# Altium PCB STM32F7_CoreBoard.PcbDoc (part 7 of 8) (continued)
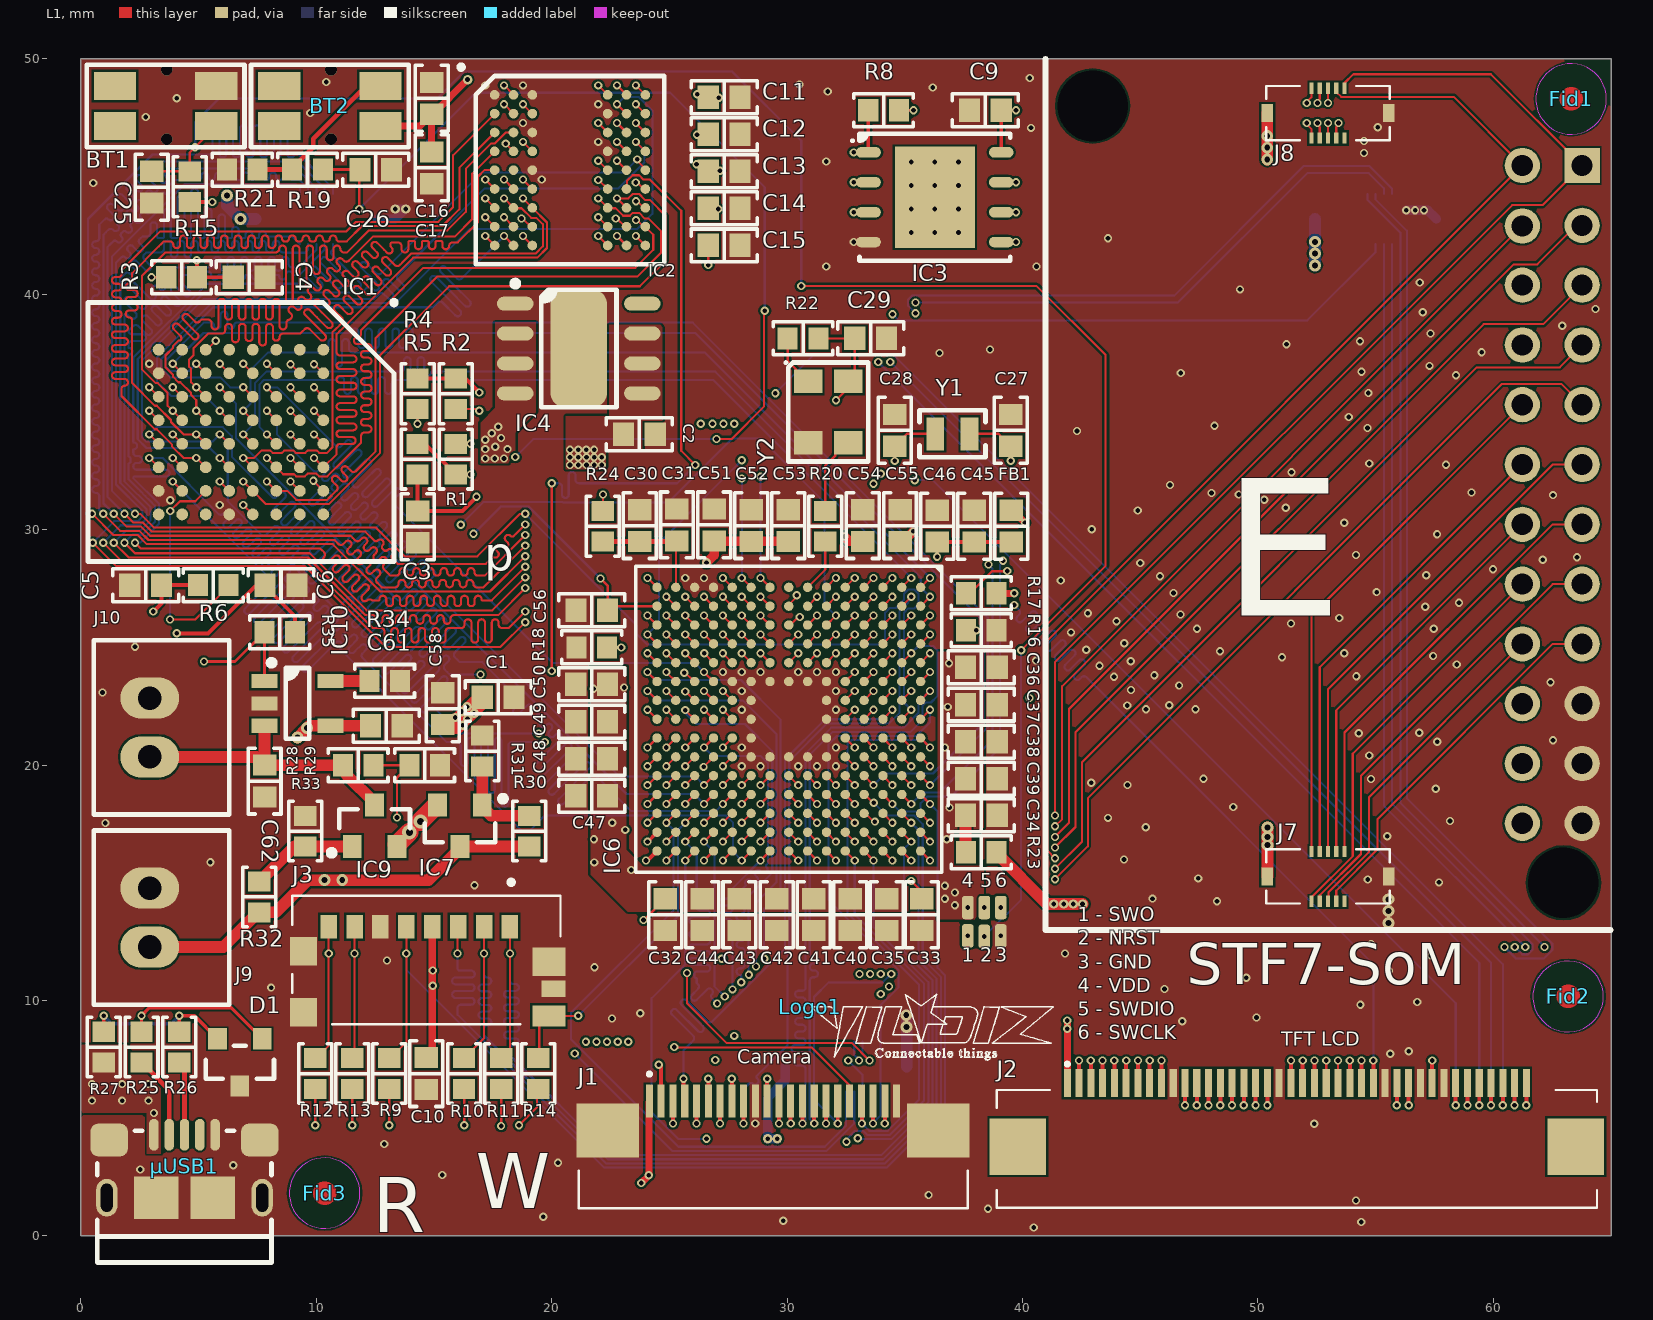
[diagram p0: L1 view]
## Nets (pads, with @x,y where several pads share a name; then routed paths per layer and width w, separated by ;. In a path a pad name is that pad's centre, name@x,y a point inside that pad or via, vN(x,y) a via of type N, cw(c..) or ccw(c..) an arc to the next point about the centre after c; other vN are vias at no path point) (continued)
  L6 w0.089: v1(1.85,29.45) 2.186,29.786 2.602,29.786 3.142,30.326 3.142,31.024 2.944,31.221 2.74,31.425 2.536,31.63 2.331,31.834 2.127,32.038 2.025,32.14 2.025,32.239 2.025,32.528 2.025,32.816 ccw(c2.025,32.891) 2.099,32.891 2.099,33.031 ccw(c2.025,33.031) 2.025,33.105 2.025,33.394 2.025,33.683 2.025,33.972 2.025,34.261 2.025,34.55 2.025,34.839 2.025,35.128 2.025,35.417 2.025,35.705 2.025,35.994 2.025,36.283 2.025,36.572 2.025,36.861 2.025,37.15 2.025,37.439 2.039,37.439 ccw(c2.039,37.583) 2.183,37.583 ccw(c2.039,37.583) 2.039,37.728 2.025,37.728 2.025,37.872 cw(c2.169,37.872) 2.169,38.017 2.616,38.017 ccw(c2.616,38.161) 2.761,38.161 ccw(c2.616,38.161) 2.616,38.306 2.169,38.306 cw(c2.169,38.45) 2.025,38.45 2.127,38.552 2.229,38.654 cw(c2.331,38.552) 2.434,38.654 2.772,38.316 ccw(c2.874,38.418) 2.976,38.316 ccw(c2.874,38.418) 2.976,38.521 2.638,38.859 cw(c2.74,38.961) 2.638,39.063 cw(c2.74,38.961) 2.842,39.063 3.18,38.725 ccw(c3.282,38.827) 3.384,38.725 ccw(c3.282,38.827) 3.384,38.929 3.046,39.267 cw(c3.149,39.369) 3.046,39.471 cw(c3.149,39.369) 3.251,39.471 3.589,39.133 ccw(c3.691,39.236) 3.793,39.133 ccw(c3.691,39.236) 3.793,39.338 3.455,39.676 cw(c3.557,39.778) 3.455,39.88 cw(c3.557,39.778) 3.659,39.88 3.997,39.542 ccw(c4.099,39.644) 4.202,39.542 ccw(c4.099,39.644) 4.202,39.746 3.864,40.084 cw(c3.966,40.186) 3.864,40.289 cw(c3.966,40.186) 4.068,40.289 4.406,39.95 ccw(c4.508,40.053) 4.61,39.95 ccw(c4.508,40.053) 4.61,40.155 4.272,40.493 cw(c4.374,40.595) 4.272,40.697 4.374,40.799 4.4,40.825 4.525,40.825 4.669,40.825 cw(c4.808,40.825) 4.808,40.964 4.819,40.964 cw(c4.819,40.825) 4.958,40.825 4.958,40.647 ccw(c5.103,40.647) 5.103,40.503 ccw(c5.103,40.647) 5.247,40.647 5.247,40.825 cw(c5.386,40.825) 5.386,40.964 5.397,40.964 cw(c5.397,40.825) 5.536,40.825 5.536,40.772 ccw(c5.681,40.772) 5.681,40.628 ccw(c5.681,40.772) 5.825,40.772 cw(c5.878,40.772) 5.878,40.825 6.061,40.825 cw(c6.061,40.772) 6.114,40.772 ccw(c6.258,40.772) 6.258,40.628 ccw(c6.258,40.772) 6.403,40.772 cw(c6.456,40.772) 6.456,40.825 6.639,40.825 cw(c6.639,40.772) 6.692,40.772 ccw(c6.836,40.772) 6.836,40.628 ccw(c6.836,40.772) 6.981,40.772 cw(c7.033,40.772) 7.033,40.825 7.217,40.825 cw(c7.217,40.772) 7.27,40.772 ccw(c7.414,40.772) 7.414,40.628 ccw(c7.414,40.772) 7.558,40.772 cw(c7.611,40.772) 7.611,40.825 7.795,40.825 cw(c7.795,40.772) 7.847,40.772 ccw(c7.992,40.772) 7.992,40.628 ccw(c7.992,40.772) 8.136,40.772 cw(c8.189,40.772) 8.189,40.825 8.372,40.825 cw(c8.372,40.772) 8.425,40.772 ccw(c8.57,40.772) 8.57,40.628 ccw(c8.57,40.772) 8.714,40.772 8.714,40.825 8.714,40.833 cw(c8.858,40.833) 8.858,40.977 cw(c8.858,40.833) 9.003,40.833 9.003,40.825 9.05,40.825 9.289,40.825 10.35,41.886 J6.3@10.35,42.14
RMII_TX_EN: IC6.B8 J6.10 | length 66.1
  L1 w0.089: v1(2.3,30.675) 2.517,30.675 3.092,30.1 12.511,30.1 13.745,28.867 16.842,28.867 18.65,30.675 v1(18.875,30.675) ; IC6.B8@34.87,21.952 v1(35.27,22.352)
  L6 w0.089: v1(2.3,30.675) 1.314,31.661 1.314,41.589 4.4,44.675 9.133,44.675 9.3,44.508 J6.10@9.3,44.26 ; v1(18.875,30.675) 23.6,25.95 23.6,25.587 24.062,25.125 33.925,25.125 34.162,25.362 34.162,26.481 34.356,26.675 34.612,26.675 34.962,27.025 34.962,27.281 35.142,27.461 35.398,27.461 35.579,27.281 35.579,26.829 35.411,26.661 35.142,26.661 34.962,26.481 34.962,22.661 v1(35.27,22.352)
RMII_TXD0: IC6.L13 J6.6 | length 67.3
  L1 w0.089: v1(1.4,30.675) 1.944,30.131 2.558,30.131 2.945,29.744 11.025,29.744 11.308,29.744 11.453,29.744 11.543,29.654 11.645,29.552 ccw(c11.747,29.654) 11.849,29.552 11.921,29.624 cw(c12.023,29.521) 12.125,29.624 cw(c12.023,29.521) 12.125,29.419 12.054,29.348 ccw(c12.156,29.246) 12.054,29.144 ccw(c12.156,29.246) 12.258,29.144 12.329,29.215 cw(c12.431,29.113) 12.534,29.215 cw(c12.431,29.113) 12.534,29.011 12.462,28.939 ccw(c12.564,28.837) 12.462,28.735 ccw(c12.564,28.837) 12.666,28.735 12.738,28.806 cw(c12.84,28.704) 12.942,28.806 cw(c12.84,28.704) 12.942,28.602 12.871,28.531 ccw(c12.973,28.429) 12.871,28.326 12.973,28.224 13.075,28.122 13.147,28.05 13.25,28.05 13.394,28.05 ccw(c13.394,28.194) 13.539,28.194 13.539,28.225 cw(c13.683,28.225) 13.683,28.369 cw(c13.683,28.225) 13.828,28.225 13.828,28.194 ccw(c13.972,28.194) 13.972,28.05 ccw(c13.972,28.194) 14.117,28.194 14.117,28.225 cw(c14.261,28.225) 14.261,28.369 cw(c14.261,28.225) 14.405,28.225 14.405,28.194 ccw(c14.55,28.194) 14.55,28.05 ccw(c14.55,28.194) 14.694,28.194 14.694,28.225 cw(c14.839,28.225) 14.839,28.369 cw(c14.839,28.225) 14.983,28.225 14.983,28.194 ccw(c15.128,28.194) 15.128,28.05 ccw(c15.128,28.194) 15.272,28.194 15.272,28.225 cw(c15.417,28.225) 15.417,28.369 cw(c15.417,28.225) 15.561,28.225 15.561,28.194 ccw(c15.706,28.194) 15.706,28.05 ccw(c15.706,28.194) 15.85,28.194 15.85,28.225 cw(c15.994,28.225) 15.994,28.369 cw(c15.994,28.225) 16.139,28.225 16.139,28.194 ccw(c16.283,28.194) 16.283,28.05 ccw(c16.283,28.194) 16.428,28.194 16.428,28.225 cw(c16.572,28.225) 16.572,28.369 cw(c16.572,28.225) 16.717,28.225 16.717,28.194 ccw(c16.861,28.194) 16.861,28.05 17.006,28.05 17.15,28.05 v1(18.875,29.775) ; v1(27.27,17.552) IC6.L13@27.67,17.952
  L4 w0.089: v1(18.875,29.775) 23.583,25.067 26.597,25.067 26.956,24.707 26.956,17.866 v1(27.27,17.552)
  L6 w0.089: v1(1.4,30.675) 0.958,31.117 0.958,42.533 1.06,42.635 1.162,42.737 cw(c1.265,42.635) 1.367,42.737 1.374,42.73 ccw(c1.476,42.832) 1.579,42.73 ccw(c1.476,42.832) 1.579,42.934 1.571,42.942 cw(c1.673,43.044) 1.571,43.146 cw(c1.673,43.044) 1.775,43.146 1.783,43.139 ccw(c1.885,43.241) 1.987,43.139 ccw(c1.885,43.241) 1.987,43.343 1.98,43.35 cw(c2.082,43.452) 1.98,43.555 cw(c2.082,43.452) 2.184,43.555 2.191,43.547 ccw(c2.294,43.649) 2.396,43.547 ccw(c2.294,43.649) 2.396,43.751 2.388,43.759 cw(c2.49,43.861) 2.388,43.963 cw(c2.49,43.861) 2.592,43.963 2.6,43.956 ccw(c2.702,44.058) 2.804,43.956 ccw(c2.702,44.058) 2.804,44.16 2.797,44.167 cw(c2.899,44.27) 2.797,44.372 cw(c2.899,44.27) 3.001,44.372 3.009,44.364 ccw(c3.111,44.466) 3.213,44.364 ccw(c3.111,44.466) 3.213,44.569 3.103,44.678 3.032,44.75 cw(c3.134,44.852) 3.032,44.954 cw(c3.134,44.852) 3.236,44.954 3.307,44.882 3.417,44.773 ccw(c3.519,44.875) 3.621,44.773 ccw(c3.519,44.875) 3.621,44.977 3.614,44.985 cw(c3.716,45.087) 3.614,45.189 3.716,45.291 3.775,45.35 3.919,45.35 4.15,45.35 4.303,45.35 cw(c4.425,45.35) 4.425,45.472 4.469,45.472 cw(c4.469,45.35) 4.592,45.35 4.592,45.175 ccw(c4.736,45.175) 4.736,45.031 ccw(c4.736,45.175) 4.881,45.175 4.881,45.206 cw(c5.025,45.206) 5.025,45.35 5.575,45.35 5.95,45.35 9.15,45.35 10,44.5 J6.6@10,44.26
RMII_TXD1: IC6.K14 J6.8 | length 66.9
  L1 w0.089: v1(1.85,30.675) 2.217,30.308 2.632,30.308 3.018,29.922 12.078,29.922 12.387,29.613 12.456,29.544 ccw(c12.534,29.622) 12.611,29.544 cw(c12.714,29.442) 12.816,29.544 cw(c12.714,29.442) 12.816,29.34 ccw(c12.894,29.262) 12.816,29.184 12.864,29.136 ccw(c12.942,29.214) 13.02,29.136 cw(c13.122,29.034) 13.224,29.136 cw(c13.122,29.034) 13.224,28.931 ccw(c13.302,28.854) 13.224,28.776 13.351,28.649 13.453,28.547 17.197,28.547 17.299,28.649 17.504,28.854 ccw(c17.603,28.953) 17.702,28.854 17.708,28.859 ccw(c17.609,28.959) 17.708,29.058 17.64,29.126 cw(c17.742,29.228) 17.64,29.33 cw(c17.742,29.228) 17.844,29.33 17.912,29.262 ccw(c18.011,29.361) 18.111,29.262 18.116,29.268 ccw(c18.017,29.367) 18.116,29.466 18.048,29.535 cw(c18.15,29.637) 18.048,29.739 cw(c18.15,29.637) 18.252,29.739 ccw(c18.321,29.807) 18.389,29.739 18.462,29.812 v1(18.875,30.225) ; v1(28.07,16.752) IC6.K14@28.47,17.152
  L4 w0.089: v1(18.875,30.225) 23.856,25.244 27.215,25.244 27.579,24.88 27.579,18.408 27.942,18.044 28.434,18.044 28.562,17.916 28.562,17.138 28.176,16.752 v1(28.07,16.752)
  L6 w0.089: v1(1.85,30.675) 1.136,31.389 1.136,42.015 1.238,42.117 1.368,42.247 cw(c1.442,42.173) 1.517,42.247 ccw(c1.619,42.35) 1.721,42.247 ccw(c1.619,42.35) 1.721,42.452 cw(c1.795,42.526) 1.721,42.6 1.777,42.656 cw(c1.851,42.582) 1.925,42.656 ccw(c2.027,42.758) 2.13,42.656 ccw(c2.027,42.758) 2.13,42.86 cw(c2.204,42.934) 2.13,43.009 2.185,43.065 cw(c2.26,42.99) 2.334,43.065 ccw(c2.436,43.167) 2.538,43.065 ccw(c2.436,43.167) 2.538,43.269 cw(c2.612,43.343) 2.538,43.417 2.594,43.473 cw(c2.668,43.399) 2.742,43.473 ccw(c2.845,43.575) 2.947,43.473 ccw(c2.845,43.575) 2.947,43.677 cw(c3.021,43.752) 2.947,43.826 3.002,43.882 cw(c3.077,43.807) 3.151,43.882 ccw(c3.253,43.984) 3.355,43.882 ccw(c3.253,43.984) 3.355,44.086 cw(c3.43,44.16) 3.355,44.234 3.411,44.29 cw(c3.485,44.216) 3.56,44.29 ccw(c3.662,44.392) 3.764,44.29 ccw(c3.662,44.392) 3.764,44.494 cw(c3.838,44.569) 3.764,44.643 3.894,44.773 3.974,44.853 4.118,44.853 4.4,44.853 4.975,44.853 ccw(c4.975,44.997) 5.119,44.997 5.119,45.028 cw(c5.264,45.028) 5.264,45.172 cw(c5.264,45.028) 5.408,45.028 5.408,44.997 ccw(c5.553,44.997) 5.553,44.853 ccw(c5.553,44.997) 5.697,44.997 5.697,45.028 cw(c5.842,45.028) 5.842,45.172 cw(c5.842,45.028) 5.986,45.028 5.986,44.997 ccw(c6.131,44.997) 6.131,44.853 ccw(c6.131,44.997) 6.275,44.997 6.275,45.028 cw(c6.419,45.028) 6.419,45.172 cw(c6.419,45.028) 6.564,45.028 6.564,44.997 ccw(c6.708,44.997) 6.708,44.853 ccw(c6.708,44.997) 6.853,44.997 6.853,45.028 cw(c6.997,45.028) 6.997,45.172 cw(c6.997,45.028) 7.142,45.028 7.142,44.997 ccw(c7.286,44.997) 7.286,44.853 ccw(c7.286,44.997) 7.431,44.997 7.431,45.028 cw(c7.575,45.028) 7.575,45.172 cw(c7.575,45.028) 7.72,45.028 7.72,44.997 ccw(c7.864,44.997) 7.864,44.853 ccw(c7.864,44.997) 8.008,44.997 8.008,45.028 cw(c8.153,45.028) 8.153,45.172 cw(c8.153,45.028) 8.297,45.028 8.297,44.997 ccw(c8.442,44.997) 8.442,44.853 ccw(c8.442,44.997) 8.586,44.997 8.586,45.028 cw(c8.731,45.028) 8.731,45.172 cw(c8.731,45.028) 8.875,45.028 8.875,44.997 ccw(c9.02,44.997) 9.02,44.853 9.164,44.853 9.297,44.853 9.65,44.5 J6.8@9.65,44.26
RS485_DE: IC6.R4 J5.5 | length 40.8
  L1 w0.089: v1(24.07,25.553) IC6.R4@24.47,25.153
  L4 w0.089: v1(28.075,32.95) 34.275,39.15 v1(34.475,39.15)
  L6 w0.089: v1(24.07,25.553) 24.562,26.044 24.562,29.437 v1(28.075,32.95) ; v1(34.475,39.15) 34.733,38.892 52.092,38.892 55,41.8 J5.5@55,42.14
RS485_RX: IC6.R13 J5.3 | length 99.7
  L1 w0.089: v1(24.07,17.552) IC6.R13@24.47,17.952
  L3 w0.089: v1(24.07,17.552) 24.018,17.552 20.311,13.845 20.311,7.166 25.261,2.216 61.071,2.216 63.486,4.632 63.486,6.767 61.341,8.912 61.341,12.266 v1(61.35,12.275)
  L6 w0.089: J5.3@55.35,42.14 55.35,18.275 v1(61.35,12.275)
RS485_TX: IC6.P12 J5.1 | length 101.5
  L1 w0.089: v1(24.87,18.352) IC6.P12@25.27,18.752
  L3 w0.089: v1(24.87,18.352) 24.525,18.007 24.525,17.391 24.284,17.15 23.867,17.15 20.489,13.772 20.489,7.24 25.335,2.394 60.997,2.394 63.309,4.706 63.309,6.693 60.911,9.09 v1(60.911,12.275)
  L6 w0.089: J5.1@55.7,42.14 55.7,18.361 61.658,12.403 61.658,12.147 61.478,11.967 61.219,11.967 v1(60.911,12.275)
SD_CLK: IC6.A12 J3.5 R9.1 | length 47.8
  L1 w0.089: R9.1@13.1,7.55 13.15,7.55 13.825,8.225 v1(13.825,12) J3.5@13.825,13.14 ; IC6.A12@35.67,18.752 v1(36.07,18.352)
  L6 w0.089: v1(13.825,12) 13.825,11.314 22.236,2.903 34.222,2.903 36.708,5.388 36.708,11.077 36.392,11.393 36.392,18.031 v1(36.07,18.352)
SD_CMD: IC6.D12 J3.3 | length 47.8
  L1 w0.089: v1(16,12) 16,13.115 J3.3@16.025,13.14 ; IC6.D12@33.27,18.752 33.298,18.752 33.649,18.401 v1(33.677,18.401)
  L6 w0.089: v1(16,12) 16,11.375 ccw(c16.107,11.375) 16.107,11.268 16.586,11.268 cw(c16.586,11.124) 16.731,11.124 cw(c16.586,11.124) 16.586,10.979 16,10.979 15.914,10.979 ccw(c15.914,10.835) 15.769,10.835 ccw(c15.914,10.835) 15.914,10.69 16,10.69 16.572,10.69 cw(c16.572,10.546) 16.717,10.546 cw(c16.572,10.546) 16.572,10.402 16,10.402 15.914,10.402 ccw(c15.914,10.257) 15.769,10.257 ccw(c15.914,10.257) 15.914,10.113 16,10.113 16.572,10.113 cw(c16.572,9.968) 16.717,9.968 cw(c16.572,9.968) 16.572,9.824 16.144,9.824 ccw(c16.144,9.679) 16,9.679 16,9.535 16,9.39 22.31,3.08 34.149,3.08 36.53,5.462 36.53,11.004 35.762,11.772 35.762,17.496 35.398,17.86 34.217,17.86 v1(33.677,18.401)
SD_D0: IC6.G14 J3.7 R13.1 | length 49
  L1 w0.089: R13.1@11.525,7.55 11.625,7.65 v1(11.625,12) J3.7@11.625,13.14 ; IC6.G14@30.87,17.152 v1(31.27,16.752)
  L4 w0.089: v1(11.625,12) 17.275,6.35 17.419,6.35 17.708,6.35 17.853,6.35 ccw(c17.853,6.494) 17.997,6.494 17.997,8.011 cw(c18.142,8.011) 18.142,8.156 cw(c18.142,8.011) 18.286,8.011 18.286,6.494 ccw(c18.431,6.494) 18.431,6.35 ccw(c18.431,6.494) 18.575,6.494 18.575,8.011 cw(c18.719,8.011) 18.719,8.156 cw(c18.719,8.011) 18.864,8.011 18.864,6.494 ccw(c19.008,6.494) 19.008,6.35 ccw(c19.008,6.494) 19.153,6.494 19.153,8.011 cw(c19.297,8.011) 19.297,8.156 cw(c19.297,8.011) 19.442,8.011 19.442,6.494 ccw(c19.586,6.494) 19.586,6.35 ccw(c19.586,6.494) 19.731,6.494 19.731,8.011 cw(c19.875,8.011) 19.875,8.156 cw(c19.875,8.011) 20.02,8.011 20.02,6.494 ccw(c20.164,6.494) 20.164,6.35 20.308,6.35 20.575,6.35 25.711,6.35 25.908,6.547 25.908,9.446 31.579,15.116 31.579,16.443 v1(31.27,16.752)
SD_D1: IC6.F14 J3.8 R12.1 | length 49
  L1 w0.089: R12.1@9.95,7.55 10,7.55 10.525,8.075 v1(10.525,12) J3.8@10.525,13.14 ; IC6.F14@31.67,17.152 v1(32.07,16.752)
  L4 w0.089: v1(10.525,12) 10.627,11.898 10.729,11.796 cw(c10.627,11.694) 10.729,11.591 10.415,11.277 ccw(c10.517,11.175) 10.415,11.073 ccw(c10.517,11.175) 10.619,11.073 11.036,11.489 11.272,11.725 cw(c11.374,11.623) 11.476,11.725 cw(c11.374,11.623) 11.476,11.521 11.24,11.285 10.824,10.869 ccw(c10.926,10.766) 10.824,10.664 ccw(c10.926,10.766) 11.028,10.664 11.444,11.081 11.766,11.403 cw(c11.869,11.301) 11.971,11.403 cw(c11.869,11.301) 11.971,11.199 11.649,10.876 11.232,10.46 ccw(c11.334,10.358) 11.232,10.256 ccw(c11.334,10.358) 11.436,10.256 11.853,10.672 12.175,10.994 cw(c12.277,10.892) 12.379,10.994 cw(c12.277,10.892) 12.379,10.79 12.057,10.468 11.641,10.051 ccw(c11.743,9.949) 11.641,9.847 ccw(c11.743,9.949) 11.845,9.847 12.261,10.264 12.584,10.586 cw(c12.686,10.484) 12.788,10.586 cw(c12.686,10.484) 12.788,10.381 12.466,10.059 12.049,9.643 ccw(c12.151,9.541) 12.049,9.439 ccw(c12.151,9.541) 12.254,9.439 12.67,9.855 12.992,10.177 cw(c13.094,10.075) 13.196,10.177 cw(c13.094,10.075) 13.196,9.973 12.976,9.753 ccw(c13.079,9.651) 12.976,9.549 13.079,9.446 16.353,6.172 25.785,6.172 26.1,6.487 26.1,9.386 31.762,15.048 31.762,16.443 v1(32.07,16.752)
SD_D2: IC6.B14 J3.1 R11.1 | length 47.6
  L1 w0.089: R11.1@17.85,7.55 18.225,7.925 v1(18.225,12) J3.1@18.225,13.14 ; IC6.B14@34.87,17.152 v1(35.27,16.752)
  L6 w0.089: v1(18.225,12) 18.225,10.875 18.225,10.846 ccw(c18.369,10.846) 18.369,10.702 18.461,10.702 cw(c18.461,10.557) 18.606,10.557 cw(c18.461,10.557) 18.461,10.413 18.225,10.413 18.114,10.413 ccw(c18.114,10.268) 17.969,10.268 ccw(c18.114,10.268) 18.114,10.124 18.225,10.124 18.461,10.124 cw(c18.461,9.979) 18.606,9.979 cw(c18.461,9.979) 18.461,9.835 18.225,9.835 18.114,9.835 ccw(c18.114,9.691) 17.969,9.691 ccw(c18.114,9.691) 18.114,9.546 18.225,9.546 18.461,9.546 cw(c18.461,9.402) 18.606,9.402 cw(c18.461,9.402) 18.461,9.257 18.225,9.257 18.114,9.257 ccw(c18.114,9.113) 17.969,9.113 ccw(c18.114,9.113) 18.114,8.968 18.225,8.968 18.461,8.968 cw(c18.461,8.824) 18.606,8.824 cw(c18.461,8.824) 18.461,8.679 18.225,8.679 18.114,8.679 ccw(c18.114,8.535) 17.969,8.535 ccw(c18.114,8.535) 18.114,8.391 18.225,8.391 18.461,8.391 cw(c18.461,8.246) 18.606,8.246 cw(c18.461,8.246) 18.461,8.102 18.369,8.102 ccw(c18.369,7.957) 18.225,7.957 18.225,7.813 18.225,7.668 22.457,3.436 34.001,3.436 36.175,5.609 36.175,10.856 34.962,12.069 34.962,16.443 v1(35.27,16.752)
SD_D3: IC6.B13 J3.2 R10.1 | length 47.6
  L1 w0.089: R10.1@16.275,7.55 17.125,8.4 v1(17.125,12) J3.2@17.125,13.14 ; IC6.B13@34.87,17.952 v1(35.27,17.552)
  L6 w0.089: v1(17.125,12) 17.125,11.15 17.125,11.117 ccw(c17.269,11.117) 17.269,10.972 17.286,10.972 cw(c17.286,10.828) 17.431,10.828 cw(c17.286,10.828) 17.286,10.684 17.125,10.684 17.039,10.684 ccw(c17.039,10.539) 16.894,10.539 ccw(c17.039,10.539) 17.039,10.395 17.125,10.395 17.286,10.395 cw(c17.286,10.25) 17.431,10.25 cw(c17.286,10.25) 17.286,10.106 17.125,10.106 17.039,10.106 ccw(c17.039,9.961) 16.894,9.961 ccw(c17.039,9.961) 17.039,9.817 17.125,9.817 17.286,9.817 cw(c17.286,9.672) 17.431,9.672 cw(c17.286,9.672) 17.286,9.528 17.125,9.528 17.039,9.528 ccw(c17.039,9.384) 16.894,9.384 ccw(c17.039,9.384) 17.039,9.239 17.125,9.239 17.286,9.239 cw(c17.286,9.095) 17.431,9.095 cw(c17.286,9.095) 17.286,8.95 17.269,8.95 ccw(c17.269,8.806) 17.125,8.806 17.125,8.661 17.125,8.517 22.384,3.258 34.075,3.258 36.352,5.536 36.352,10.93 35.579,11.704 35.579,17.244 v1(35.27,17.552)
SD_DETECT: IC6.N13 J3.G5 R14.1 | length 13.9
  L1 w0.089: R14.1@19.425,7.55 19.469,7.594 19.469,8.944 J3.G5@19.875,9.35 v1(21.125,9.35) ; v1(25.67,17.552) IC6.N13@26.07,17.952
  L6 w0.089: v1(21.125,9.35) 25.362,13.587 25.362,17.244 v1(25.67,17.552)
SWCLK: IC6.A14 pad.6@39.075,13.95 | length 4.7
  L1 w0.089: IC6.A14@35.67,17.152 v1(36.07,16.752)
  L2 w0.089: v1(36.07,16.752) 36.273,16.752 v1(39.075,13.95)
SWDIO: IC6.A15 pad.5@38.375,13.95 | length 3.7
  L1 w0.089: IC6.A15@35.67,16.352 v1(36.07,15.952)
  L2 w0.089: v1(36.07,15.952) 36.075,15.946 36.379,15.946 v1(38.375,13.95)
SWO: IC6.A10 pad.1@37.675,12.75 | length 8.7
  L1 w0.089: IC6.A10@35.67,20.352 v1(36.07,19.952)
  L2 w0.089: v1(36.07,19.952) 35.762,19.644 35.762,14.663 v1(37.675,12.75)
USB_HS_DM: D1.1 IC6.R14 R25.1 | length 31.9
  L1 w0.146: R25.1@2.575,8.675 v1(2.575,9.35) 2.912,9.687 6.388,9.687 D1.1@7.7,8.375 ; v1(24.07,16.752) IC6.R14@24.47,17.152
  L2 w0.096: v1(2.575,9.35) 2.639,9.35 3.264,9.975 3.264,10.437 9.29,16.463 23.782,16.463 v1(24.07,16.752)
USB_HS_DM_P: D1.2 IC6.R15 R26.1 R27.2 | length 32
  L1 w0.146: R27.2@0.975,8.675 v1(0.975,9.35) ; R26.1@4.175,8.675 v1(4.175,9.35) 4.825,9.35 D1.2@5.8,8.375 ; v1(24,15.95) 24.069,15.95 IC6.R15@24.47,16.352
  L2 w0.096: v1(4.175,9.35) 4.111,9.35 3.486,9.975 3.486,10.344 9.382,16.24 23.782,16.24 24.05,15.972 24.028,15.95 v1(24,15.95)
  L6 w0.146: v1(0.975,9.35) 1.312,9.013 3.838,9.013 v1(4.175,9.35)
USERBTN: C26.2 IC6.N3 R19.2 | length 55.6
  L1 w0.089: v1(11.825,43.625) 11.825,45.275 C26.2@11.85,45.3 ; v1(25.67,26.353) IC6.N3@26.07,25.953 ; v1(27,33.85) 27.636,33.85 29.014,35.228 29.014,39.262 v1(29.05,39.298)
  L1 w0.127: R19.2@10.275,45.3 C26.2@11.85,45.3
  L4 w0.089: v1(18.45,33.086) 24.783,26.753 25.27,26.753 v1(25.67,26.353)
  L6 w0.089: v1(11.825,43.625) 16.761,48.561 25.032,48.561 29.05,44.543 v1(29.05,39.298) ; v1(18.45,33.086) 19.214,33.85 v1(27,33.85)
VBatt: C62.2 IC9.3 IC10.3 J10.1 R28.2 | length 12.3
  L1 w0.5: J10.1@2.925,20.35 7.45,20.35 C62.2@7.8,20 ; IC10.3@7.8,21.675 C62.2@7.8,20 ; IC9.3@12.475,18.31 12.475,18.395 11.3,19.57 11.3,19.825 R28.2@11.125,20 C62.2@7.8,20
VBATT_SENS: C56.2 IC6.R2 R28.1 R29.2 | length 28.2
  L1 w0.1: R28.1@12.425,20 R29.2@13.95,20 13.425,19.475 v1(13.425,17.775) ; v1(22.075,27.925) 22.375,27.625 C56.2@22.375,26.575 22.553,26.753 IC6.R2@24.47,26.753
  L2 w0.1: v1(13.425,17.775) 13.425,26.575 v1(16.675,29.825)
  L6 w0.1: v1(16.675,29.825) 17.839,30.989 19.011,30.989 v1(22.075,27.925)
VDD: C34.2 C35.2 C36.2 C37.2 C38.2 C39.2 C40.2 C41.2 C42.2 C43.2 C44.2 C47.2 C48.2 C49.2 C50.2 C51.2 C52.2 C53.2 C54.2 C55.2 FB1.2 IC6.E7 IC6.E8 IC6.E9 IC6.E10 IC6.F4 IC6.F5 IC6.F11 IC6.G5 IC6.G11 IC6.H5 IC6.H11 IC6.J5 IC6.J11 IC6.K5 IC6.K11 IC6.L7 IC6.L8 IC6.L9 IC6.L10 pad.4@37.675,13.95 R17.1 R23.1 | length 19.7
  L1 w0.089: v1(27.27,19.952) IC6.L10@27.67,20.352 ; v1(27.27,20.752) IC6.L9@27.67,21.152 ; v1(27.27,22.352) IC6.L8@27.67,21.952 ; v1(27.27,23.152) IC6.L7@27.67,22.752 ; v1(28.07,19.152) IC6.K11@28.47,19.552 ; v1(28.07,24.753) IC6.K5@28.47,24.353 ; v1(28.87,19.152) IC6.J11@29.27,19.552 ; v1(28.87,24.753) IC6.J5@29.27,24.353 ; IC6.H11@30.07,19.552 v1(30.47,19.152) ; IC6.H5@30.07,24.353 v1(30.47,24.753) ; IC6.G11@30.87,19.552 v1(31.27,19.152) ; IC6.G5@30.87,24.353 v1(31.27,24.753) ; IC6.F11@31.67,19.552 v1(32.07,19.152) ; IC6.F5@31.67,24.353 v1(32.07,24.753) ; IC6.F4@31.67,25.153 v1(32.07,25.553) ; IC6.E10@32.47,20.352 v1(32.87,19.952) ; IC6.E9@32.47,21.152 v1(32.87,20.752) ; IC6.E8@32.47,21.952 v1(32.87,22.352) ; IC6.E7@32.47,22.752 v1(32.87,23.152)
  L1 w0.3: R17.1@38.9,27.3 v1(39.65,27.3) ; FB1.2@39.52,30.827 39.57,30.827 40.1,30.298 v1(40.1,30.3)
  L1 w0.4: v3(26.575,28.6) 26.895,28.92 C51.2@26.895,29.527 26.908,29.515 28.433,29.515 28.445,29.527 C52.2@28.47,29.502 C53.2@30.045,29.502 ; v1(32.44,29.71) 32.648,29.502 C54.2@33.22,29.502 ; C55.2@34.795,29.502 34.932,29.502 v1(35.36,29.93)
  L1 w0.5: R23.1@37.575,16.325 C34.2@37.575,17.875
  other v1: 37.675,13.95 37.125,14.05 36.7,14.325 37.125,14.588 36.7,14.875 23.375,15.55 21.81,15.87 21.79,16.85 36.775,16.85 23.125,17.25 22.575,17.552 36.9,18.2 36.7,20.75 36.825,22.475 21.775,23.25 23.075,23.3 36.875,24.325
VDDA: C45.2 C46.2 FB1.1 IC6.C1 IC6.R1 R24.2 | length 37.3
  L1 w0.089: v1(24.07,27.953) IC6.R1@24.47,27.553 ; IC6.C1@34.07,27.553 v1(34.47,27.953)
  L1 w0.1: R24.2@22.17,30.802 22.175,30.807 v1(22.175,31.5) ; v1(36.37,28.855) C46.2@36.37,29.477
  L1 w0.169: C46.2@36.37,29.477 C45.2@37.945,29.477 FB1.1@39.52,29.477
  L2 w0.089: v1(24.07,27.953) 22.175,29.848 v1(22.175,31.5) 22.245,31.5 24.27,33.525 39.809,33.525 40.075,33.259 40.075,32.125 36.805,28.855 v1(36.37,28.855) 35.372,28.855 v1(34.47,27.953)
VREF+: C30.2 C31.2 IC6.P1 R24.1 | length 5.1
  L1 w0.089: IC6.P1@25.27,27.553 25.27,29.527 C31.2@25.32,29.527
  L1 w0.2: R24.1@22.17,29.502 C30.2@23.745,29.502 C31.2@25.245,29.502
Vselected: C1.2 C58.2 IC2.2 IC2.3 IC2.4 IC7.2 IC9.2 | length 4
  L1 w0.8: IC9.2@13.425,16.625 v6(13.95,17.15) ; v6@14.412,17.613 15.024,18.224 15.149,18.224 15.15,18.225 IC7.2@15.15,18.31 ; C58.2@15.375,21.725 15.95,21.725 16.086,21.861 16.086,21.878 16.372,22.164 16.389,22.164 17.05,22.825 C1.2@17.05,22.875
  other v1: 17.175,33.025 17.575,33.025 17.975,33.025 17.175,33.425 18.125,33.425 17.604,33.525 17.175,33.825 17.85,33.9 17.45,34.1 17.725,34.375
  other v3: 16.225,21.7 16.425,21.975 15.9,22.025 16.7,22.2 16.175,22.275 16.4,22.475
  other v6: 14.425,17.6
WiFi_CTS: IC6.C15 J8.8 pad.5@63.77,35.31 | length 58.5
  L1 w0.089: IC6.C15@34.07,16.352 v1(34.47,15.952) ; v1(41.375,15.15) 42.775,16.55 42.775,18.6 60.368,36.193 62.887,36.193 pad.5@63.77,35.31 ; v1(52.525,47.275) 52.525,47.204 52.625,47.104 J8.8@52.625,46.64
  L4 w0.089: v1(34.47,15.952) 34.779,15.643 40.882,15.643 v1(41.375,15.15) ; v1(52.525,47.275) 52.525,45.306 62.521,35.31 pad.5@63.77,35.31
WiFi_IRQ: IC6.D9 J8.1 pad.1@63.77,45.47 | length 59.4
  L1 w0.089: IC6.D9@33.27,21.152 v1(33.67,20.752) ; v1(41.375,17.86) 41.375,24.366 60.798,43.788 62.088,43.788 pad.1@63.77,45.47 59.89,49.35 54.05,49.35 53.675,48.975 J8.1@53.675,48.76
  L4 w0.089: v1(33.67,20.752) 33.979,20.444 33.979,20.008 34.526,19.46 39.775,19.46 v1(41.375,17.86)
WiFi_MISO: IC6.C14 J8.3 pad.13 | length 55
  L1 w0.089: IC6.C14@34.07,17.152 v1(34.47,16.752) ; v1(41.375,16.05) 41.067,16.358 41.067,25.307 pad.13@61.23,45.47 58.313,48.387 53.53,48.387 53.325,48.591 J8.3@53.325,48.76
  L4 w0.089: v1(34.47,16.752) 34.784,16.438 40.987,16.438 v1(41.375,16.05)
WiFi_MOSI: IC6.C13 J8.5 pad.2@63.77,42.93 | length 57.5
  L1 w0.089: IC6.C13@34.07,17.952 v1(34.47,17.552) ; v1(41.375,16.95) 41.975,17.55 41.975,22.384 60.864,41.273 61.862,41.273 63.519,42.93 pad.2@63.77,42.93 ; v1(52.975,48.125) J8.5@52.975,48.76
  L3 w0.089: v1(52.975,48.125) 57.326,48.125 62.521,42.93 pad.2@63.77,42.93
  L4 w0.089: v1(34.47,17.552) 34.779,17.86 40.465,17.86 v1(41.375,16.95)
WiFi_PWE: IC6.A13 J8.9 pad.3@63.77,40.39 | length 56.6
  L1 w0.089: IC6.A13@35.67,17.952 v1(36.07,17.552) ; v1(41.375,16.5) 42.25,17.375 42.25,21.4 59.583,38.733 62.113,38.733 pad.3@63.77,40.39 ; v1(52.075,48.125) 52.075,48.179 52.266,48.37 52.266,48.751 J8.9@52.275,48.76
  L3 w0.089: v1(52.075,48.125) 52.617,47.583 55.302,47.583 60.864,42.022 62.138,42.022 pad.3@63.77,40.39
  L4 w0.089: v1(36.07,17.552) 40.323,17.552 v1(41.375,16.5)
WiFi_RTS: IC6.B15 J8.10 pad.4@63.77,37.85 | length 58
  L1 w0.089: IC6.B15@34.87,16.352 v1(35.27,15.952) ; v1(41.375,15.6) 42.525,16.75 42.525,20.125 59.3,36.9 62.82,36.9 pad.4@63.77,37.85 ; v1(52.075,47.275) 52.075,47.221 52.266,47.03 52.266,46.649 J8.10@52.275,46.64
  L4 w0.089: v1(35.27,15.952) 35.579,16.26 40.715,16.26 v1(41.375,15.6) ; v1(52.075,47.275) 52.383,47.583 55.286,47.583 63.77,39.099 pad.4@63.77,37.85
WiFi_RX: IC6.D15 J8.6 pad.16 | length 93.7
  L1 w0.089: IC6.D15@33.27,16.352 v1(33.67,15.952) ; J8.6@52.975,46.64 v1(52.975,47.275)
  L3 w0.089: v1(33.002,4.15) 33.155,3.997 60.337,3.997 61.708,5.368 61.708,5.678 58.919,8.467 58.919,29.42 61.386,31.887 61.596,31.887 62.113,32.404 62.113,36.967 pad.16@61.23,37.85
  L4 w0.089: v1(52.975,47.275) 52.975,46.105 pad.16@61.23,37.85
  L6 w0.089: v1(33.002,4.15) 33.041,4.111 34.425,4.111 35.997,5.683 35.997,10.783 33.67,13.109 v1(33.67,15.952)
WiFi_SCL: IC6.C11 J8.7 pad.14 | length 53.5
  L1 w0.089: IC6.C11@34.07,19.552 v1(34.47,19.152) ; v1(41.375,17.4) 41.683,17.708 41.683,23.358 pad.14@61.23,42.905 ; v1(52.525,48.125) 52.525,48.196 52.625,48.296 J8.7@52.625,48.76
  L3 w0.089: v1(52.525,48.125) 52.833,47.817 56.318,47.817 pad.14@61.23,42.905
  L4 w0.089: v1(34.47,19.152) 34.962,18.66 40.115,18.66 v1(41.375,17.4)
WiFi_TX: IC6.E15 J8.4 pad.15 | length 95.7
  L1 w0.089: IC6.E15@32.47,16.352 v1(32.87,15.952) ; J8.4@53.325,46.64 53.325,47.104 53.425,47.204 v1(53.425,47.275)
  L3 w0.089: v1(32.525,4) 32.708,3.817 37.153,3.817 37.156,3.819 60.411,3.819 61.886,5.295 61.886,5.751 59.097,8.54 59.097,29.346 61.46,31.709 61.67,31.709 62.291,32.33 62.291,39.329 pad.15@61.23,40.39 54.345,47.275 v1(53.425,47.275)
  L6 w0.089: v1(32.525,4) 32.525,4.11 32.874,4.459 33.24,4.459 33.41,4.289 34.351,4.289 35.819,5.756 35.819,10.709 32.87,13.658 v1(32.87,15.952)
pads on no net: BT1.3 BT1.4 BT2.3 BT2.4 IC1.A1 IC1.A8 IC1.B1 IC1.B8 IC1.C1 IC1.C8 IC1.D1 IC1.E1 IC1.F8 IC1.G1 IC1.G8 IC1.H1 IC1.H8 IC2.8 IC3.9 IC4.E2 IC6.H1 J2.MP1 J2.MP2 J5.7 J5.9 J5.10 J7.2 J8.2 J11.6 J11.7 J11.8 J11.9 J11.10 µUSB1.4
copper on no net:
  other v4: 35.275,42.625 36.275,42.625 37.275,42.625 35.275,43.625 36.275,43.625 37.275,43.625 35.275,44.625 36.275,44.625 37.275,44.625 35.275,45.625 36.275,45.625 37.275,45.625

## Polygon pours and split planes (outlines as drawn)
VDD on L1 "L1-VDD" (solid, pour order 7): 36.4,15.675 36.4,24.825 38.35,24.825 38.35,13.425 36.4,13.448 36.4,13.775 23.225,13.775 21.657,15.343 21.657,24.2 23.175,24.2 23.175,16.401 23.901,15.675